# Altium PCB usb_can_8.PcbDoc (part 4 of 4) (continued)
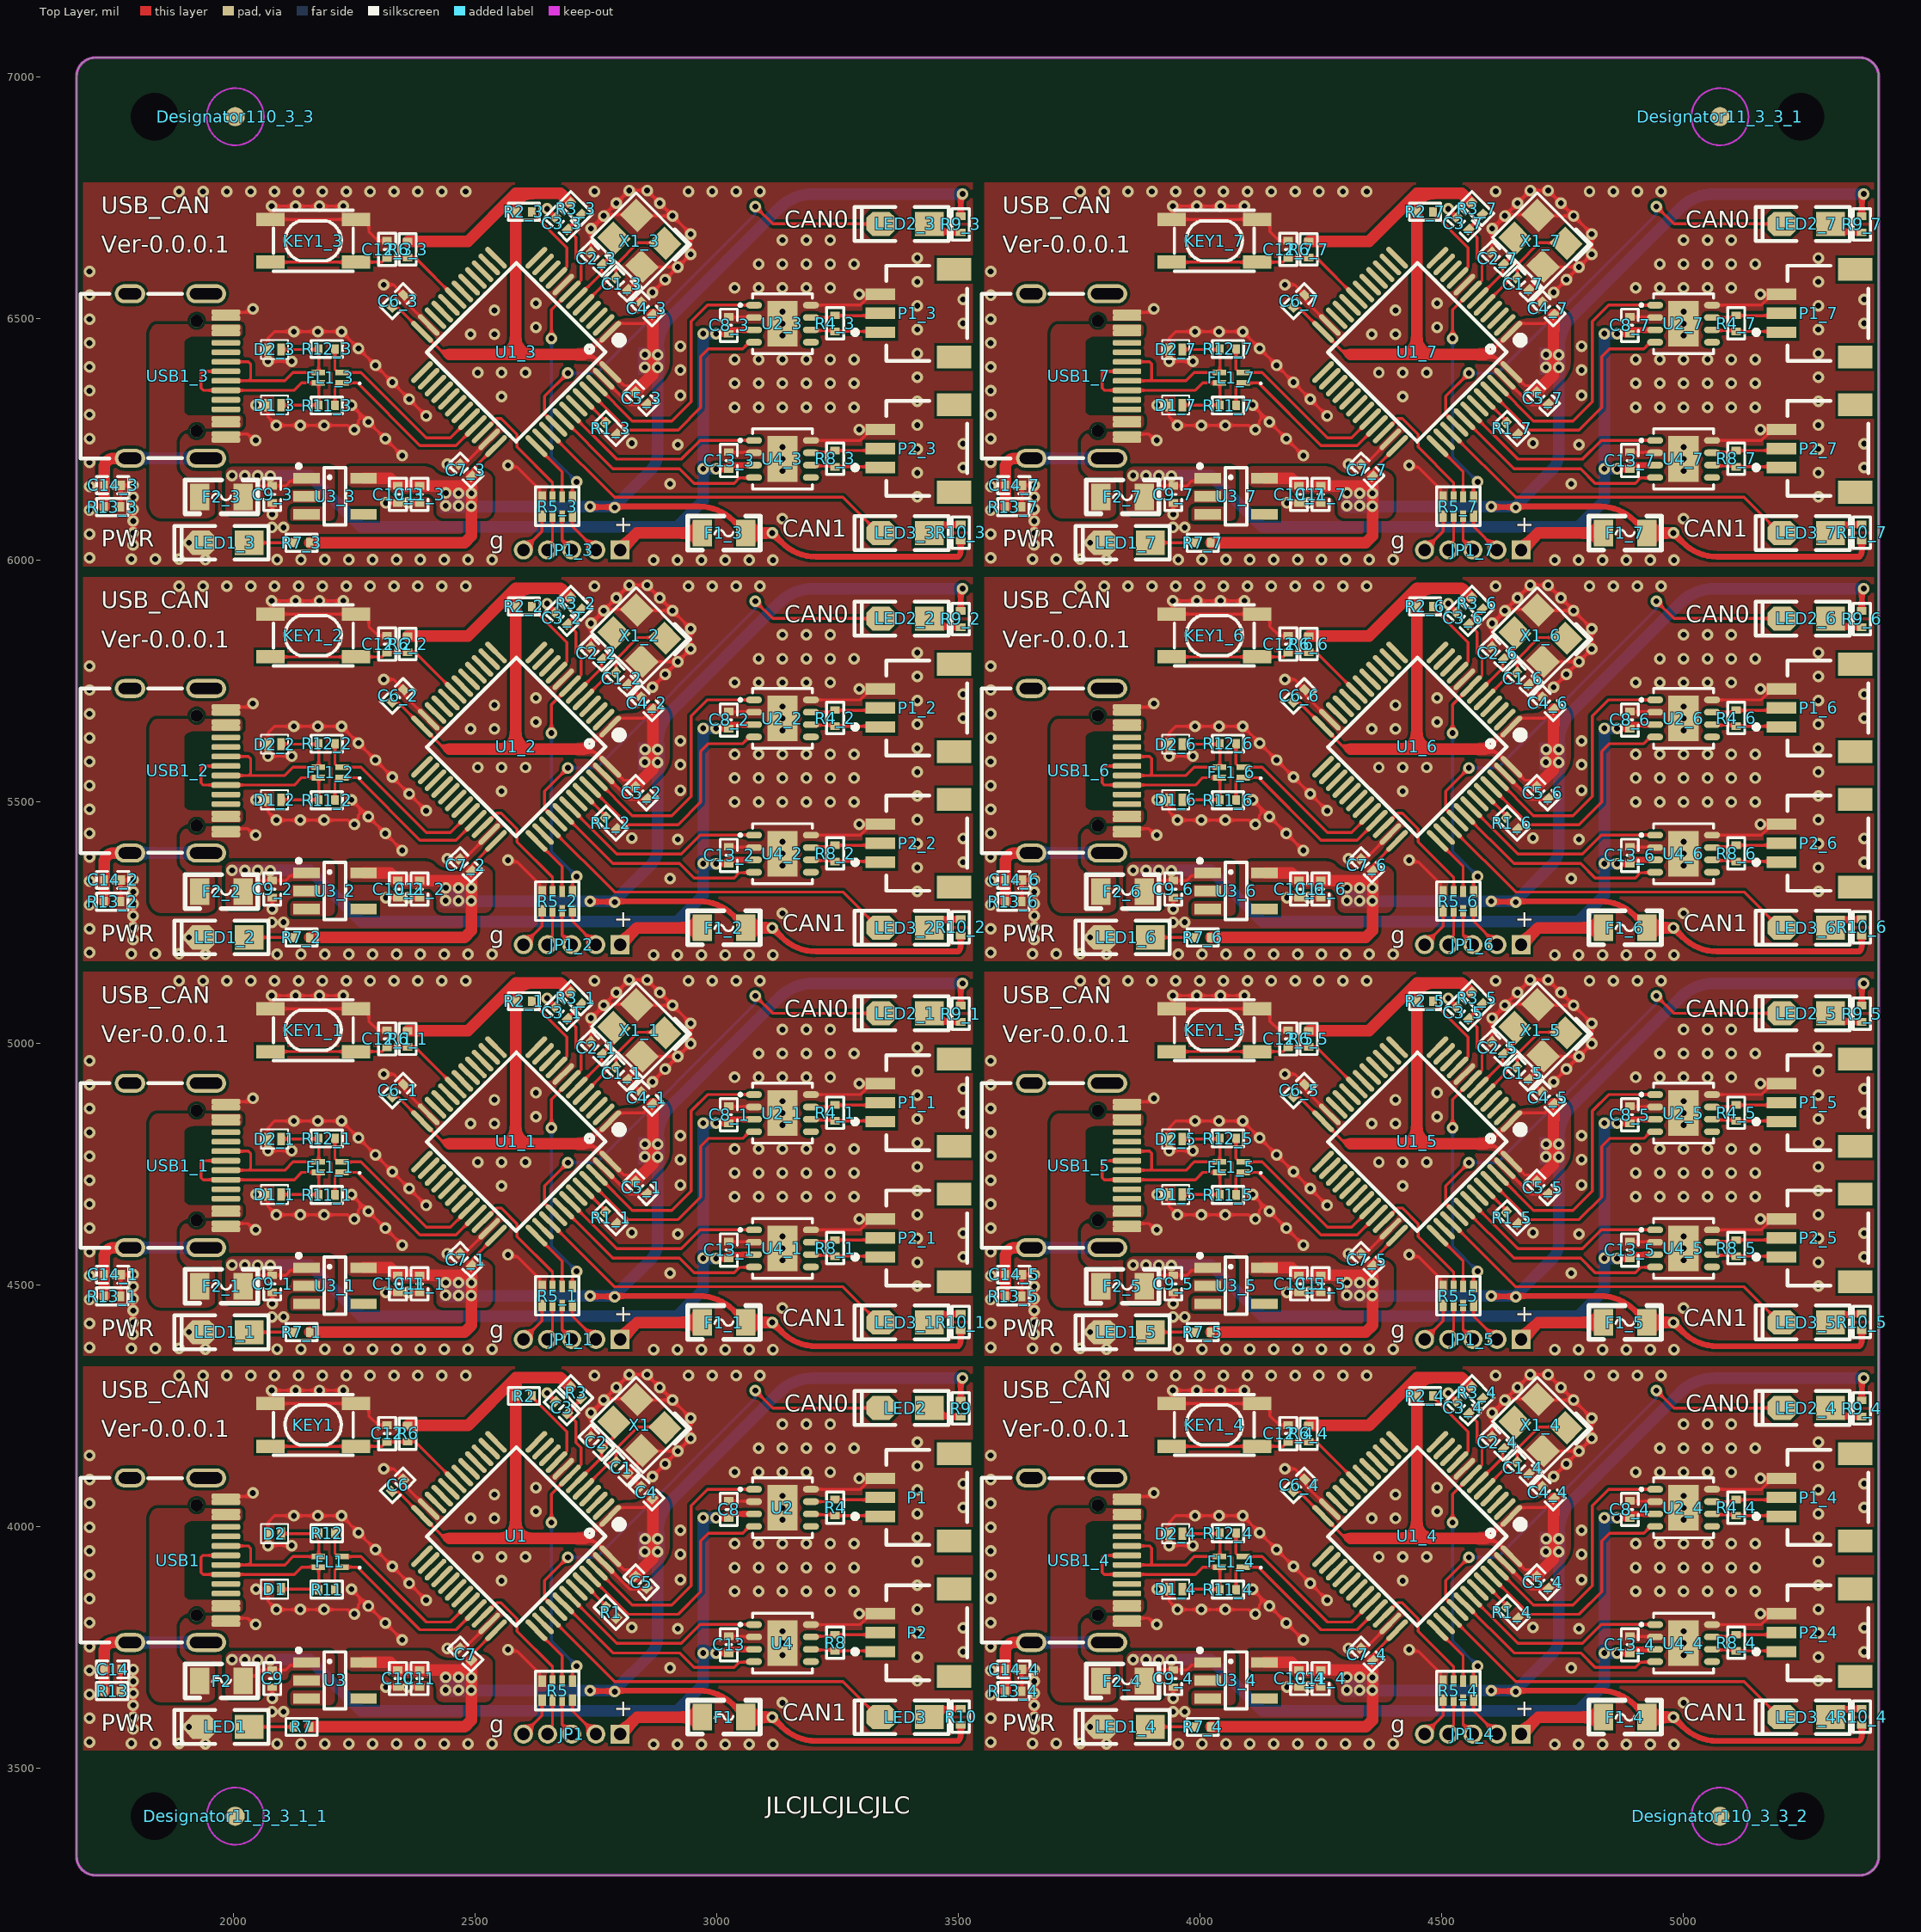
[diagram p0: Top Layer view]
## Polygon pours and split planes (outlines as drawn) (continued)
GND on Top Layer "NONET_L01_P-001" (solid, remove dead copper, pour order 68): 3554,5148 3554,4353 5395,4353 5395,5148
VCC3V3 on Top Layer "NONET_L01_P-001" (solid, pour order 66): 4734,4886 ccw(c4734,4864.27) 4718.64,4879.64 4717,4878 cw(c4688.03,4906.97) 4688.03,4866 4680.63,4866 ccw(c4680.63,4811.37) 4642,4850 4611.85,4819.85 cw(c4576,4855.7) 4576,4805 ccw(c4592.9,4788.1) 4569,4788.1 4569,4782 ccw(c4578.66,4791.66) 4578.66,4778 4594.86,4778 cw(c4594.86,4743.86) 4619,4768 4677.81,4709.19 ccw(c4700,4731.38) 4700,4700 ccw(c4700,4728.97) 4720.49,4708.49 4751,4739 ccw(c4709.96,4780.04) 4768,4780.04 4768,4856.69 ccw(c4740.69,4856.69) 4760,4876 ccw(c4735.86,4851.86) 4735.86,4886
VCC3V3 on Top Layer "NONET_L01_P-001" (solid, pour order 65): 4106.83,4560 ccw(c4106.83,4553.17) 4102,4558 ccw(c4104.41,4555.59) 4101,4555.59 4101,4525.83 ccw(c4107.83,4525.83) 4103,4521 ccw(c4112.66,4530.66) 4112.66,4517 4167.86,4517 cw(c4167.86,4482.86) 4192,4507 ccw(c4201.66,4516.66) 4201.66,4503 4266.34,4503 cw(c4266.34,4489.34) 4276,4499 cw(c4254.27,4477.27) 4285,4477.27 4285,4465.24 ccw(c4295.24,4465.24) 4288,4458 ccw(c4300.07,4470.07) 4300.07,4453 4385.34,4453 ccw(c4385.34,4466.66) 4395,4457 ccw(c4380.51,4471.49) 4401,4471.49 4401,4533.34 ccw(c4387.34,4533.34) 4397,4543 ccw(c4373.34,4519.34) 4373.34,4552.8 4358.92,4552.8 ccw(c4358.92,4530.78) 4343.35,4546.35 4342,4545 cw(c4327.51,4559.49) 4327.51,4539 4309.97,4539 cw(c4309.97,4579.97) 4281,4551 ccw(c4259.27,4529.27) 4259.27,4560
VCC5V on Top Layer "NONET_L01_P-001" (solid, pour order 64): 3864,4559 ccw(c3864,4543) 3848,4543 3848,4473 ccw(c3860,4473) 3860,4461 3913,4461 ccw(c3913,4470) 3922,4470 3922,4486 cw(c3935,4486) 3935,4499 3969,4499 ccw(c3969,4508) 3978,4508 cw(c3989,4508) 3989,4519 4048,4519 cw(c4048,4512) 4055,4512 4055,4481 cw(c4051,4481) 4051,4477 3991,4477 ccw(c3991,4469) 3983,4469 3983,4451 ccw(c3987,4451) 3987,4447 4063,4447 ccw(c4063,4458) 4074,4458 4074,4547 ccw(c4062,4547) 4062,4559
USBVCC on Top Layer "NONET_L01_P-001" (solid, pour order 63): 3879.59,4854 cw(c3879.59,4850.59) 3882,4853 cw(c3879.59,4850.59) 3883,4850.59 3883,4834.83 cw(c3876.18,4834.83) 3881,4830 cw(c3878.59,4832.41) 3878.59,4829 3784.31,4829 ccw(c3784.31,4801.69) 3765,4821 ccw(c3769.83,4816.17) 3763,4816.17 3763,4674.83 ccw(c3769.83,4674.83) 3765,4670 ccw(c3777.07,4682.07) 3777.07,4665 3878.17,4665 cw(c3878.17,4658.18) 3883,4663 cw(c3880.59,4660.59) 3884,4660.59 3884,4645 cw(c3879.18,4645) 3882.59,4641.59 3882,4641 cw(c3877.17,4645.83) 3877.17,4639 3781.56,4639 ccw(c3781.55,4601.45) 3755,4628 ccw(c3774.31,4608.69) 3747,4608.69 3747,4562 ccw(c3775.97,4562) 3755.59,4541.41 3764,4533 ccw(c3768.83,4537.83) 3768.83,4531 3816.76,4531 cw(c3816.76,4520.76) 3824,4528 cw(c3819.18,4523.17) 3826,4523.17 3826,4464.83 cw(c3819.18,4464.83) 3824,4460 cw(c3807.1,4476.9) 3807.1,4453 3714.49,4453 cw(c3714.49,4473.48) 3700,4459 cw(c3724.14,4483.14) 3691,4474.94 3691,4703 3691,4831.69 cw(c3718.31,4831.69) 3699,4851 cw(c3706.24,4843.76) 3706.24,4854
GND on Top Layer "NONET_L01_P-001" (solid, remove dead copper, pour order 62): 3554,4331 3554,3536 5395,3536 5395,4331
VCC3V3 on Top Layer "NONET_L01_P-001" (solid, pour order 60): 4734,4069 ccw(c4734,4047.27) 4718.64,4062.64 4717,4061 cw(c4688.03,4089.97) 4688.03,4049 4680.63,4049 ccw(c4680.63,3994.37) 4642,4033 4611.85,4002.85 cw(c4576,4038.7) 4576,3988 ccw(c4592.9,3971.1) 4569,3971.1 4569,3965 ccw(c4578.66,3974.66) 4578.66,3961 4594.86,3961 cw(c4594.86,3926.86) 4619,3951 4677.81,3892.19 ccw(c4700,3914.38) 4700,3883 ccw(c4700,3911.97) 4720.49,3891.49 4751,3922 ccw(c4709.96,3963.04) 4768,3963.04 4768,4039.69 ccw(c4740.69,4039.69) 4760,4059 ccw(c4735.86,4034.86) 4735.86,4069
VCC3V3 on Top Layer "NONET_L01_P-001" (solid, pour order 59): 4106.83,3743 ccw(c4106.83,3736.17) 4102,3741 ccw(c4104.41,3738.59) 4101,3738.59 4101,3708.83 ccw(c4107.83,3708.83) 4103,3704 ccw(c4112.66,3713.66) 4112.66,3700 4167.86,3700 cw(c4167.86,3665.86) 4192,3690 ccw(c4201.66,3699.66) 4201.66,3686 4266.34,3686 cw(c4266.34,3672.34) 4276,3682 cw(c4254.27,3660.27) 4285,3660.27 4285,3648.24 ccw(c4295.24,3648.24) 4288,3641 ccw(c4300.07,3653.07) 4300.07,3636 4385.34,3636 ccw(c4385.34,3649.66) 4395,3640 ccw(c4380.51,3654.49) 4401,3654.49 4401,3716.34 ccw(c4387.34,3716.34) 4397,3726 ccw(c4373.34,3702.34) 4373.34,3735.8 4358.92,3735.8 ccw(c4358.92,3713.78) 4343.35,3729.35 4342,3728 cw(c4327.51,3742.49) 4327.51,3722 4309.97,3722 cw(c4309.97,3762.97) 4281,3734 ccw(c4259.27,3712.27) 4259.27,3743
VCC5V on Top Layer "NONET_L01_P-001" (solid, pour order 58): 3864,3742 ccw(c3864,3726) 3848,3726 3848,3656 ccw(c3860,3656) 3860,3644 3913,3644 ccw(c3913,3653) 3922,3653 3922,3669 cw(c3935,3669) 3935,3682 3969,3682 ccw(c3969,3691) 3978,3691 cw(c3989,3691) 3989,3702 4048,3702 cw(c4048,3695) 4055,3695 4055,3664 cw(c4051,3664) 4051,3660 3991,3660 ccw(c3991,3652) 3983,3652 3983,3634 ccw(c3987,3634) 3987,3630 4063,3630 ccw(c4063,3641) 4074,3641 4074,3730 ccw(c4062,3730) 4062,3742
USBVCC on Top Layer "NONET_L01_P-001" (solid, pour order 57): 3879.59,4037 cw(c3879.59,4033.59) 3882,4036 cw(c3879.59,4033.59) 3883,4033.59 3883,4017.83 cw(c3876.18,4017.83) 3881,4013 cw(c3878.59,4015.41) 3878.59,4012 3784.31,4012 ccw(c3784.31,3984.69) 3765,4004 ccw(c3769.83,3999.17) 3763,3999.17 3763,3857.83 ccw(c3769.83,3857.83) 3765,3853 ccw(c3777.07,3865.07) 3777.07,3848 3878.17,3848 cw(c3878.17,3841.18) 3883,3846 cw(c3880.59,3843.59) 3884,3843.59 3884,3828 cw(c3879.18,3828) 3882.59,3824.59 3882,3824 cw(c3877.17,3828.83) 3877.17,3822 3781.56,3822 ccw(c3781.55,3784.45) 3755,3811 ccw(c3774.31,3791.69) 3747,3791.69 3747,3745 ccw(c3775.97,3745) 3755.59,3724.41 3764,3716 ccw(c3768.83,3720.83) 3768.83,3714 3816.76,3714 cw(c3816.76,3703.76) 3824,3711 cw(c3819.18,3706.17) 3826,3706.17 3826,3647.83 cw(c3819.18,3647.83) 3824,3643 cw(c3807.1,3659.9) 3807.1,3636 3714.49,3636 cw(c3714.49,3656.48) 3700,3642 cw(c3724.14,3666.14) 3691,3657.94 3691,3886 3691,4014.69 cw(c3718.31,4014.69) 3699,4034 cw(c3706.24,4026.76) 3706.24,4037
GND on Top Layer "NONET_L01_P-001" (solid, remove dead copper, pour order 56): 1689,6782 1689,5987 3530,5987 3530,6782
VCC3V3 on Top Layer "NONET_L01_P-001" (solid, pour order 54): 2869,6520 ccw(c2869,6498.27) 2853.64,6513.64 2852,6512 cw(c2823.03,6540.97) 2823.03,6500 2815.63,6500 ccw(c2815.63,6445.37) 2777,6484 2746.85,6453.85 cw(c2711,6489.7) 2711,6439 ccw(c2727.9,6422.1) 2704,6422.1 2704,6416 ccw(c2713.66,6425.66) 2713.66,6412 2729.86,6412 cw(c2729.86,6377.86) 2754,6402 2812.81,6343.19 ccw(c2835,6365.38) 2835,6334 ccw(c2835,6362.97) 2855.49,6342.49 2886,6373 ccw(c2844.96,6414.04) 2903,6414.04 2903,6490.69 ccw(c2875.69,6490.69) 2895,6510 ccw(c2870.86,6485.86) 2870.86,6520
VCC3V3 on Top Layer "NONET_L01_P-001" (solid, pour order 53): 2241.83,6194 ccw(c2241.83,6187.17) 2237,6192 ccw(c2239.41,6189.59) 2236,6189.59 2236,6159.83 ccw(c2242.83,6159.83) 2238,6155 ccw(c2247.66,6164.66) 2247.66,6151 2302.86,6151 cw(c2302.86,6116.86) 2327,6141 ccw(c2336.66,6150.66) 2336.66,6137 2401.34,6137 cw(c2401.34,6123.34) 2411,6133 cw(c2389.27,6111.27) 2420,6111.27 2420,6099.24 ccw(c2430.24,6099.24) 2423,6092 ccw(c2435.07,6104.07) 2435.07,6087 2520.34,6087 ccw(c2520.34,6100.66) 2530,6091 ccw(c2515.51,6105.49) 2536,6105.49 2536,6167.34 ccw(c2522.34,6167.34) 2532,6177 ccw(c2508.34,6153.34) 2508.34,6186.8 2493.92,6186.8 ccw(c2493.92,6164.78) 2478.35,6180.35 2477,6179 cw(c2462.51,6193.49) 2462.51,6173 2444.97,6173 cw(c2444.97,6213.97) 2416,6185 ccw(c2394.27,6163.27) 2394.27,6194
VCC5V on Top Layer "NONET_L01_P-001" (solid, pour order 52): 1999,6193 ccw(c1999,6177) 1983,6177 1983,6107 ccw(c1995,6107) 1995,6095 2048,6095 ccw(c2048,6104) 2057,6104 2057,6120 cw(c2070,6120) 2070,6133 2104,6133 ccw(c2104,6142) 2113,6142 cw(c2124,6142) 2124,6153 2183,6153 cw(c2183,6146) 2190,6146 2190,6115 cw(c2186,6115) 2186,6111 2126,6111 ccw(c2126,6103) 2118,6103 2118,6085 ccw(c2122,6085) 2122,6081 2198,6081 ccw(c2198,6092) 2209,6092 2209,6181 ccw(c2197,6181) 2197,6193
USBVCC on Top Layer "NONET_L01_P-001" (solid, pour order 51): 2014.59,6488 cw(c2014.59,6484.59) 2017,6487 cw(c2014.59,6484.59) 2018,6484.59 2018,6468.83 cw(c2011.18,6468.83) 2016,6464 cw(c2013.59,6466.41) 2013.59,6463 1919.31,6463 ccw(c1919.31,6435.69) 1900,6455 ccw(c1904.83,6450.17) 1898,6450.17 1898,6308.83 ccw(c1904.83,6308.83) 1900,6304 ccw(c1912.07,6316.07) 1912.07,6299 2013.17,6299 cw(c2013.17,6292.18) 2018,6297 cw(c2015.59,6294.59) 2019,6294.59 2019,6279 cw(c2014.18,6279) 2017.59,6275.59 2017,6275 cw(c2012.17,6279.83) 2012.17,6273 1916.56,6273 ccw(c1916.55,6235.45) 1890,6262 ccw(c1909.31,6242.69) 1882,6242.69 1882,6196 ccw(c1910.97,6196) 1890.59,6175.41 1899,6167 ccw(c1903.83,6171.83) 1903.83,6165 1951.76,6165 cw(c1951.76,6154.76) 1959,6162 cw(c1954.18,6157.17) 1961,6157.17 1961,6098.83 cw(c1954.18,6098.83) 1959,6094 cw(c1942.1,6110.9) 1942.1,6087 1849.49,6087 cw(c1849.48,6107.48) 1835,6093 cw(c1859.14,6117.14) 1826,6108.94 1826,6337 1826,6465.69 cw(c1853.31,6465.69) 1834,6485 cw(c1841.24,6477.76) 1841.24,6488
GND on Top Layer "NONET_L01_P-001" (solid, remove dead copper, pour order 50): 1689,5965 1689,5170 3530,5170 3530,5965
VCC3V3 on Top Layer "NONET_L01_P-001" (solid, pour order 48): 2869,5703 ccw(c2869,5681.27) 2853.64,5696.64 2852,5695 cw(c2823.03,5723.97) 2823.03,5683 2815.63,5683 ccw(c2815.63,5628.37) 2777,5667 2746.85,5636.85 cw(c2711,5672.7) 2711,5622 ccw(c2727.9,5605.1) 2704,5605.1 2704,5599 ccw(c2713.66,5608.66) 2713.66,5595 2729.86,5595 cw(c2729.86,5560.86) 2754,5585 2812.81,5526.19 ccw(c2835,5548.38) 2835,5517 ccw(c2835,5545.97) 2855.49,5525.49 2886,5556 ccw(c2844.96,5597.04) 2903,5597.04 2903,5673.69 ccw(c2875.69,5673.69) 2895,5693 ccw(c2870.86,5668.86) 2870.86,5703
VCC3V3 on Top Layer "NONET_L01_P-001" (solid, pour order 47): 2241.83,5377 ccw(c2241.83,5370.17) 2237,5375 ccw(c2239.41,5372.59) 2236,5372.59 2236,5342.83 ccw(c2242.83,5342.83) 2238,5338 ccw(c2247.66,5347.66) 2247.66,5334 2302.86,5334 cw(c2302.86,5299.86) 2327,5324 ccw(c2336.66,5333.66) 2336.66,5320 2401.34,5320 cw(c2401.34,5306.34) 2411,5316 cw(c2389.27,5294.27) 2420,5294.27 2420,5282.24 ccw(c2430.24,5282.24) 2423,5275 ccw(c2435.07,5287.07) 2435.07,5270 2520.34,5270 ccw(c2520.34,5283.66) 2530,5274 ccw(c2515.51,5288.49) 2536,5288.49 2536,5350.34 ccw(c2522.34,5350.34) 2532,5360 ccw(c2508.34,5336.34) 2508.34,5369.8 2493.92,5369.8 ccw(c2493.92,5347.78) 2478.35,5363.35 2477,5362 cw(c2462.51,5376.49) 2462.51,5356 2444.97,5356 cw(c2444.97,5396.97) 2416,5368 ccw(c2394.27,5346.27) 2394.27,5377
VCC5V on Top Layer "NONET_L01_P-001" (solid, pour order 46): 1999,5376 ccw(c1999,5360) 1983,5360 1983,5290 ccw(c1995,5290) 1995,5278 2048,5278 ccw(c2048,5287) 2057,5287 2057,5303 cw(c2070,5303) 2070,5316 2104,5316 ccw(c2104,5325) 2113,5325 cw(c2124,5325) 2124,5336 2183,5336 cw(c2183,5329) 2190,5329 2190,5298 cw(c2186,5298) 2186,5294 2126,5294 ccw(c2126,5286) 2118,5286 2118,5268 ccw(c2122,5268) 2122,5264 2198,5264 ccw(c2198,5275) 2209,5275 2209,5364 ccw(c2197,5364) 2197,5376
USBVCC on Top Layer "NONET_L01_P-001" (solid, pour order 45): 2014.59,5671 cw(c2014.59,5667.59) 2017,5670 cw(c2014.59,5667.59) 2018,5667.59 2018,5651.83 cw(c2011.18,5651.83) 2016,5647 cw(c2013.59,5649.41) 2013.59,5646 1919.31,5646 ccw(c1919.31,5618.69) 1900,5638 ccw(c1904.83,5633.17) 1898,5633.17 1898,5491.83 ccw(c1904.83,5491.83) 1900,5487 ccw(c1912.07,5499.07) 1912.07,5482 2013.17,5482 cw(c2013.17,5475.18) 2018,5480 cw(c2015.59,5477.59) 2019,5477.59 2019,5462 cw(c2014.18,5462) 2017.59,5458.59 2017,5458 cw(c2012.17,5462.83) 2012.17,5456 1916.56,5456 ccw(c1916.55,5418.45) 1890,5445 ccw(c1909.31,5425.69) 1882,5425.69 1882,5379 ccw(c1910.97,5379) 1890.59,5358.41 1899,5350 ccw(c1903.83,5354.83) 1903.83,5348 1951.76,5348 cw(c1951.76,5337.76) 1959,5345 cw(c1954.18,5340.17) 1961,5340.17 1961,5281.83 cw(c1954.18,5281.83) 1959,5277 cw(c1942.1,5293.9) 1942.1,5270 1849.49,5270 cw(c1849.48,5290.48) 1835,5276 cw(c1859.14,5300.14) 1826,5291.94 1826,5520 1826,5648.69 cw(c1853.31,5648.69) 1834,5668 cw(c1841.24,5660.76) 1841.24,5671
GND on Top Layer "NONET_L01_P-001" (solid, remove dead copper, pour order 44): 1689,5148 1689,4353 3530,4353 3530,5148
VCC3V3 on Top Layer "NONET_L01_P-001" (solid, pour order 42): 2869,4886 ccw(c2869,4864.27) 2853.64,4879.64 2852,4878 cw(c2823.03,4906.97) 2823.03,4866 2815.63,4866 ccw(c2815.63,4811.37) 2777,4850 2746.85,4819.85 cw(c2711,4855.7) 2711,4805 ccw(c2727.9,4788.1) 2704,4788.1 2704,4782 ccw(c2713.66,4791.66) 2713.66,4778 2729.86,4778 cw(c2729.86,4743.86) 2754,4768 2812.81,4709.19 ccw(c2835,4731.38) 2835,4700 ccw(c2835,4728.97) 2855.49,4708.49 2886,4739 ccw(c2844.96,4780.04) 2903,4780.04 2903,4856.69 ccw(c2875.69,4856.69) 2895,4876 ccw(c2870.86,4851.86) 2870.86,4886
VCC3V3 on Top Layer "NONET_L01_P-001" (solid, pour order 41): 2241.83,4560 ccw(c2241.83,4553.17) 2237,4558 ccw(c2239.41,4555.59) 2236,4555.59 2236,4525.83 ccw(c2242.83,4525.83) 2238,4521 ccw(c2247.66,4530.66) 2247.66,4517 2302.86,4517 cw(c2302.86,4482.86) 2327,4507 ccw(c2336.66,4516.66) 2336.66,4503 2401.34,4503 cw(c2401.34,4489.34) 2411,4499 cw(c2389.27,4477.27) 2420,4477.27 2420,4465.24 ccw(c2430.24,4465.24) 2423,4458 ccw(c2435.07,4470.07) 2435.07,4453 2520.34,4453 ccw(c2520.34,4466.66) 2530,4457 ccw(c2515.51,4471.49) 2536,4471.49 2536,4533.34 ccw(c2522.34,4533.34) 2532,4543 ccw(c2508.34,4519.34) 2508.34,4552.8 2493.92,4552.8 ccw(c2493.92,4530.78) 2478.35,4546.35 2477,4545 cw(c2462.51,4559.49) 2462.51,4539 2444.97,4539 cw(c2444.97,4579.97) 2416,4551 ccw(c2394.27,4529.27) 2394.27,4560
VCC5V on Top Layer "NONET_L01_P-001" (solid, pour order 40): 1999,4559 ccw(c1999,4543) 1983,4543 1983,4473 ccw(c1995,4473) 1995,4461 2048,4461 ccw(c2048,4470) 2057,4470 2057,4486 cw(c2070,4486) 2070,4499 2104,4499 ccw(c2104,4508) 2113,4508 cw(c2124,4508) 2124,4519 2183,4519 cw(c2183,4512) 2190,4512 2190,4481 cw(c2186,4481) 2186,4477 2126,4477 ccw(c2126,4469) 2118,4469 2118,4451 ccw(c2122,4451) 2122,4447 2198,4447 ccw(c2198,4458) 2209,4458 2209,4547 ccw(c2197,4547) 2197,4559
USBVCC on Top Layer "NONET_L01_P-001" (solid, pour order 39): 2014.59,4854 cw(c2014.59,4850.59) 2017,4853 cw(c2014.59,4850.59) 2018,4850.59 2018,4834.83 cw(c2011.18,4834.83) 2016,4830 cw(c2013.59,4832.41) 2013.59,4829 1919.31,4829 ccw(c1919.31,4801.69) 1900,4821 ccw(c1904.83,4816.17) 1898,4816.17 1898,4674.83 ccw(c1904.83,4674.83) 1900,4670 ccw(c1912.07,4682.07) 1912.07,4665 2013.17,4665 cw(c2013.17,4658.18) 2018,4663 cw(c2015.59,4660.59) 2019,4660.59 2019,4645 cw(c2014.18,4645) 2017.59,4641.59 2017,4641 cw(c2012.17,4645.83) 2012.17,4639 1916.56,4639 ccw(c1916.55,4601.45) 1890,4628 ccw(c1909.31,4608.69) 1882,4608.69 1882,4562 ccw(c1910.97,4562) 1890.59,4541.41 1899,4533 ccw(c1903.83,4537.83) 1903.83,4531 1951.76,4531 cw(c1951.76,4520.76) 1959,4528 cw(c1954.18,4523.17) 1961,4523.17 1961,4464.83 cw(c1954.18,4464.83) 1959,4460 cw(c1942.1,4476.9) 1942.1,4453 1849.49,4453 cw(c1849.48,4473.48) 1835,4459 cw(c1859.14,4483.14) 1826,4474.94 1826,4703 1826,4831.69 cw(c1853.31,4831.69) 1834,4851 cw(c1841.24,4843.76) 1841.24,4854
GND on Top Layer "NONET_L01_P-001" (solid, remove dead copper, pour order 8): 1689,4331 1689,3536 3530,3536 3530,4331
VCC3V3 on Top Layer "NONET_L01_P-001" (solid, pour order 6): 2869,4069 ccw(c2869,4047.27) 2853.64,4062.64 2852,4061 cw(c2823.03,4089.97) 2823.03,4049 2815.63,4049 ccw(c2815.63,3994.37) 2777,4033 2746.85,4002.85 cw(c2711,4038.7) 2711,3988 ccw(c2727.9,3971.1) 2704,3971.1 2704,3965 ccw(c2713.66,3974.66) 2713.66,3961 2729.86,3961 cw(c2729.86,3926.86) 2754,3951 2812.81,3892.19 ccw(c2835,3914.38) 2835,3883 ccw(c2835,3911.97) 2855.49,3891.49 2886,3922 ccw(c2844.96,3963.04) 2903,3963.04 2903,4039.69 ccw(c2875.69,4039.69) 2895,4059 ccw(c2870.86,4034.86) 2870.86,4069
VCC3V3 on Top Layer "NONET_L01_P-001" (solid, pour order 5): 2241.83,3743 ccw(c2241.83,3736.17) 2237,3741 ccw(c2239.41,3738.59) 2236,3738.59 2236,3708.83 ccw(c2242.83,3708.83) 2238,3704 ccw(c2247.66,3713.66) 2247.66,3700 2302.86,3700 cw(c2302.86,3665.86) 2327,3690 ccw(c2336.66,3699.66) 2336.66,3686 2401.34,3686 cw(c2401.34,3672.34) 2411,3682 cw(c2389.27,3660.27) 2420,3660.27 2420,3648.24 ccw(c2430.24,3648.24) 2423,3641 ccw(c2435.07,3653.07) 2435.07,3636 2520.34,3636 ccw(c2520.34,3649.66) 2530,3640 ccw(c2515.51,3654.49) 2536,3654.49 2536,3716.34 ccw(c2522.34,3716.34) 2532,3726 ccw(c2508.34,3702.34) 2508.34,3735.8 2493.92,3735.8 ccw(c2493.92,3713.78) 2478.35,3729.35 2477,3728 cw(c2462.51,3742.49) 2462.51,3722 2444.97,3722 cw(c2444.97,3762.97) 2416,3734 ccw(c2394.27,3712.27) 2394.27,3743
VCC5V on Top Layer "NONET_L01_P-001" (solid, pour order 4): 1999,3742 ccw(c1999,3726) 1983,3726 1983,3656 ccw(c1995,3656) 1995,3644 2048,3644 ccw(c2048,3653) 2057,3653 2057,3669 cw(c2070,3669) 2070,3682 2104,3682 ccw(c2104,3691) 2113,3691 cw(c2124,3691) 2124,3702 2183,3702 cw(c2183,3695) 2190,3695 2190,3664 cw(c2186,3664) 2186,3660 2126,3660 ccw(c2126,3652) 2118,3652 2118,3634 ccw(c2122,3634) 2122,3630 2198,3630 ccw(c2198,3641) 2209,3641 2209,3730 ccw(c2197,3730) 2197,3742
USBVCC on Top Layer "NONET_L01_P-001" (solid, pour order 3): 2014.59,4037 cw(c2014.59,4033.59) 2017,4036 cw(c2014.59,4033.59) 2018,4033.59 2018,4017.83 cw(c2011.18,4017.83) 2016,4013 cw(c2013.59,4015.41) 2013.59,4012 1919.31,4012 ccw(c1919.31,3984.69) 1900,4004 ccw(c1904.83,3999.17) 1898,3999.17 1898,3857.83 ccw(c1904.83,3857.83) 1900,3853 ccw(c1912.07,3865.07) 1912.07,3848 2013.17,3848 cw(c2013.17,3841.18) 2018,3846 cw(c2015.59,3843.59) 2019,3843.59 2019,3828 cw(c2014.18,3828) 2017.59,3824.59 2017,3824 cw(c2012.17,3828.83) 2012.17,3822 1916.56,3822 ccw(c1916.55,3784.45) 1890,3811 ccw(c1909.31,3791.69) 1882,3791.69 1882,3745 ccw(c1910.97,3745) 1890.59,3724.41 1899,3716 ccw(c1903.83,3720.83) 1903.83,3714 1951.76,3714 cw(c1951.76,3703.76) 1959,3711 cw(c1954.18,3706.17) 1961,3706.17 1961,3647.83 cw(c1954.18,3647.83) 1959,3643 cw(c1942.1,3659.9) 1942.1,3636 1849.49,3636 cw(c1849.48,3656.48) 1835,3642 cw(c1859.14,3666.14) 1826,3657.94 1826,3886 1826,4014.69 cw(c1853.31,4014.69) 1834,4034 cw(c1841.24,4026.76) 1841.24,4037
GND on Bottom Layer "NONET_L01_P-001" (solid, pour order 79): 3551,6778 3551,5991 5384,5991 5384,6778
GND on Bottom Layer "NONET_L01_P-001" (solid, pour order 73): 3551,5961 3551,5174 5384,5174 5384,5961
GND on Bottom Layer "NONET_L01_P-001" (solid, pour order 67): 3551,5144 3551,4357 5384,4357 5384,5144
GND on Bottom Layer "NONET_L01_P-001" (solid, pour order 61): 3551,4327 3551,3540 5384,3540 5384,4327
GND on Bottom Layer "NONET_L01_P-001" (solid, pour order 55): 1686,6778 1686,5991 3519,5991 3519,6778
GND on Bottom Layer "NONET_L01_P-001" (solid, pour order 49): 1686,5961 1686,5174 3519,5174 3519,5961
GND on Bottom Layer "NONET_L01_P-001" (solid, pour order 43): 1686,5144 1686,4357 3519,4357 3519,5144
GND on Bottom Layer "NONET_L01_P-001" (solid, pour order 7): 1686,4327 1686,3540 3519,3540 3519,4327

## Keep-outs
Keep-Out Layer:
  lines w6: 1675,3317.17 ccw(c1714.37,3317.17) 1714.37,3277.8 5365.63,3277.8 ccw(c5365.63,3317.17) 5405,3317.17 5405,3525 5405,6793 5405,7000.83 ccw(c5365.63,7000.83) 5365.63,7040.2 1714.37,7040.2 ccw(c1714.37,7000.83) 1675,7000.83 1675,6793 1675,3525 1675,3317.17

## Other copper
Bottom Layer:
  rectangle net VCC3V3: 4292,6098 4371,6152
  rectangle net VCC3V3: 4702,6383 4757,6440
  rectangle net VCC3V3: 4292,5281 4371,5335
  rectangle net VCC3V3: 4702,5566 4757,5623
  rectangle net VCC3V3: 4292,4464 4371,4518
  rectangle net VCC3V3: 4702,4749 4757,4806
  rectangle net VCC3V3: 4292,3647 4371,3701
  rectangle net VCC3V3: 4702,3932 4757,3989
  rectangle net VCC3V3: 2427,6098 2506,6152
  rectangle net VCC3V3: 2837,6383 2892,6440
  rectangle net VCC3V3: 2427,5281 2506,5335
  rectangle net VCC3V3: 2837,5566 2892,5623
  rectangle net VCC3V3: 2427,4464 2506,4518
  rectangle net VCC3V3: 2837,4749 2892,4806
  rectangle net VCC3V3: 2837,3932 2892,3989
  rectangle net VCC3V3: 2427,3647 2506,3701

## Silkscreen, mask and mechanical layers (free items; w line width, h text height)
Top Overlay:
  text "USB_CAN" at 1726,6705.69 h60
  text "USB_CAN" at 3591,6705.69 h60
  text "CAN0" at 3140,6676.78 h60
  text "CAN0" at 5005,6676.78 h60
  text "Ver-0.0.0.1" at 1726,6624.64 h60
  text "Ver-0.0.0.1" at 3591,6624.64 h60
  text "+" at 2787,6045.77 h60
  text "+" at 4652,6045.77 h60
  text "CAN1" at 3135.54,6036.78 h60
  text "CAN1" at 5000.54,6036.78 h60
  text "PWR" at 1726,6016 h60
  text "PWR" at 3591,6016 h60
  text "g" at 2530,6012.32 h60
  text "g" at 4395,6012.32 h60
  text "USB_CAN" at 1726,5888.69 h60
  text "USB_CAN" at 3591,5888.69 h60
  text "CAN0" at 3140,5859.78 h60
  text "CAN0" at 5005,5859.78 h60
  text "Ver-0.0.0.1" at 1726,5807.64 h60
  text "Ver-0.0.0.1" at 3591,5807.64 h60
  text "+" at 2787,5228.77 h60
  text "+" at 4652,5228.77 h60
  text "CAN1" at 3135.54,5219.78 h60
  text "CAN1" at 5000.54,5219.78 h60
  text "PWR" at 1726,5199 h60
  text "PWR" at 3591,5199 h60
  text "g" at 2530,5195.32 h60
  text "g" at 4395,5195.32 h60
  text "USB_CAN" at 1726,5071.69 h60
  text "USB_CAN" at 3591,5071.69 h60
  text "CAN0" at 3140,5042.78 h60
  text "CAN0" at 5005,5042.78 h60
  text "Ver-0.0.0.1" at 1726,4990.64 h60
  text "Ver-0.0.0.1" at 3591,4990.64 h60
  text "+" at 2787,4411.77 h60
  text "+" at 4652,4411.77 h60
  text "CAN1" at 3135.54,4402.78 h60
  text "CAN1" at 5000.54,4402.78 h60
  text "PWR" at 1726,4382 h60
  text "PWR" at 3591,4382 h60
  text "g" at 2530,4378.32 h60
  text "g" at 4395,4378.32 h60
  text "USB_CAN" at 1726,4254.69 h60
  text "USB_CAN" at 3591,4254.69 h60
  text "CAN0" at 3140,4225.78 h60
  text "CAN0" at 5005,4225.78 h60
  text "Ver-0.0.0.1" at 1726,4173.64 h60
  text "Ver-0.0.0.1" at 3591,4173.64 h60
  text "+" at 2787,3594.78 h60
  text "+" at 4652,3594.78 h60
  text "CAN1" at 3135.54,3585.78 h60
  text "CAN1" at 5000.54,3585.78 h60
  text "PWR" at 1726,3565 h60
  text "PWR" at 3591,3565 h60
  text "g" at 2530,3561.32 h60
  text "g" at 4395,3561.32 h60
  text "JLCJLCJLCJLC" at 3102,3393.64 h60
Bottom Overlay:
  text "GND" at 3514,6545.64 h60
  text "GND" at 5379,6545.64 h60
  text "CANH" at 3514,6496.14 h60
  text "CANH" at 5379,6496.14 h60
  text "CANL" at 3514,6446.64 h60
  text "CANL" at 5379,6446.64 h60
  text "GND" at 3514,6263.64 h60
  text "GND" at 5379,6263.64 h60
  text "CANH" at 3514,6214.14 h60
  text "CANH" at 5379,6214.14 h60
  text "CANL" at 3514,6164.64 h60
  text "CANL" at 5379,6164.64 h60
  text "+" at 2812,6045.77 h60
  text "+" at 4677,6045.77 h60
  text "g" at 2562,6012.32 h60
  text "g" at 4427,6012.32 h60
  text "GND" at 3514,5728.64 h60
  text "GND" at 5379,5728.64 h60
  text "CANH" at 3514,5679.14 h60
  text "CANH" at 5379,5679.14 h60
  text "CANL" at 3514,5629.64 h60
  text "CANL" at 5379,5629.64 h60
  text "GND" at 3514,5446.64 h60
  text "GND" at 5379,5446.64 h60
  text "CANH" at 3514,5397.14 h60
  text "CANH" at 5379,5397.14 h60
  text "CANL" at 3514,5347.64 h60
  text "CANL" at 5379,5347.64 h60
  text "+" at 2812,5228.77 h60
  text "+" at 4677,5228.77 h60
  text "g" at 2562,5195.32 h60
  text "g" at 4427,5195.32 h60
  text "GND" at 3514,4911.64 h60
  text "GND" at 5379,4911.64 h60
  text "CANH" at 3514,4862.14 h60
  text "CANH" at 5379,4862.14 h60
  text "CANL" at 3514,4812.64 h60
  text "CANL" at 5379,4812.64 h60
  text "GND" at 3514,4629.64 h60
  text "GND" at 5379,4629.64 h60
  text "CANH" at 3514,4580.14 h60
  text "CANH" at 5379,4580.14 h60
  text "CANL" at 3514,4530.64 h60
  text "CANL" at 5379,4530.64 h60
  text "+" at 2812,4411.77 h60
  text "+" at 4677,4411.77 h60
  text "g" at 2562,4378.32 h60
  text "g" at 4427,4378.32 h60
  text "GND" at 3514,4094.64 h60
  text "GND" at 5379,4094.64 h60
  text "CANH" at 3514,4045.14 h60
  text "CANH" at 5379,4045.14 h60
  text "CANL" at 3514,3995.64 h60
  text "CANL" at 5379,3995.64 h60
  text "GND" at 3514,3812.64 h60
  text "GND" at 5379,3812.64 h60
  text "CANH" at 3514,3763.14 h60
  text "CANH" at 5379,3763.14 h60
  text "CANL" at 3514,3713.64 h60
  text "CANL" at 5379,3713.64 h60
  text "+" at 2812,3594.78 h60
  text "+" at 4677,3594.78 h60
  text "g" at 2562,3561.32 h60
  text "g" at 4427,3561.32 h60
Mechanical 1:
  lines w6: 1675,3525 1675,3317.17 ccw(c1714.37,3317.17) 1714.37,3277.8 5365.63,3277.8 ccw(c5365.63,3317.17) 5405,3317.17 5405,3525 ; 1675,3525 3540,3525 ; 1675,3525 1675,4342 ; 1675,4342 1675,5159 ; 1675,4342 3540,4342 ; 1675,4342 3540,4342 ; 1675,5159 1675,5976 ; 1675,5159 3540,5159 ; 1675,5159 3540,5159 ; 1675,5976 1675,6793 ; 1675,5976 3540,5976 ; 1675,5976 3540,5976 ; 1675,6793 1675,7000.83 cw(c1714.37,7000.83) 1714.37,7040.2 5365.63,7040.2 cw(c5365.63,7000.83) 5405,7000.83 5405,6793 ; 1675,6793 3540,6793 ; 3540,3525 3540,4342 ; 3540,3525 5405,3525 ; 3540,3525 3540,4342 ; 3540,4342 3540,5159 ; 3540,4342 5405,4342 ; 3540,4342 5405,4342 ; 3540,4342 3540,5159 ; 3540,5159 3540,5976 ; 3540,5159 5405,5159 ; 3540,5159 5405,5159 ; 3540,5159 3540,5976 ; 3540,5976 3540,6793 ; 3540,5976 5405,5976 ; 3540,5976 5405,5976 ; 3540,5976 3540,6793 ; 3540,6793 5405,6793 ; 5405,3525 5405,4342 ; 5405,4342 5405,5159 ; 5405,5159 5405,5976 ; 5405,5976 5405,6793